# KiCad board [DFR1142]Lite Carrier for LattePanda Mu(V2).kicad_pcb
title: Lite Carrier for LattePanda Mu; date: 2025-07-25; rev: V2.0.0; company: DFRobot; note: HDJ; note: DFR1142; note: 1.6; note: 4; note: 146x102; note: Top_Layer
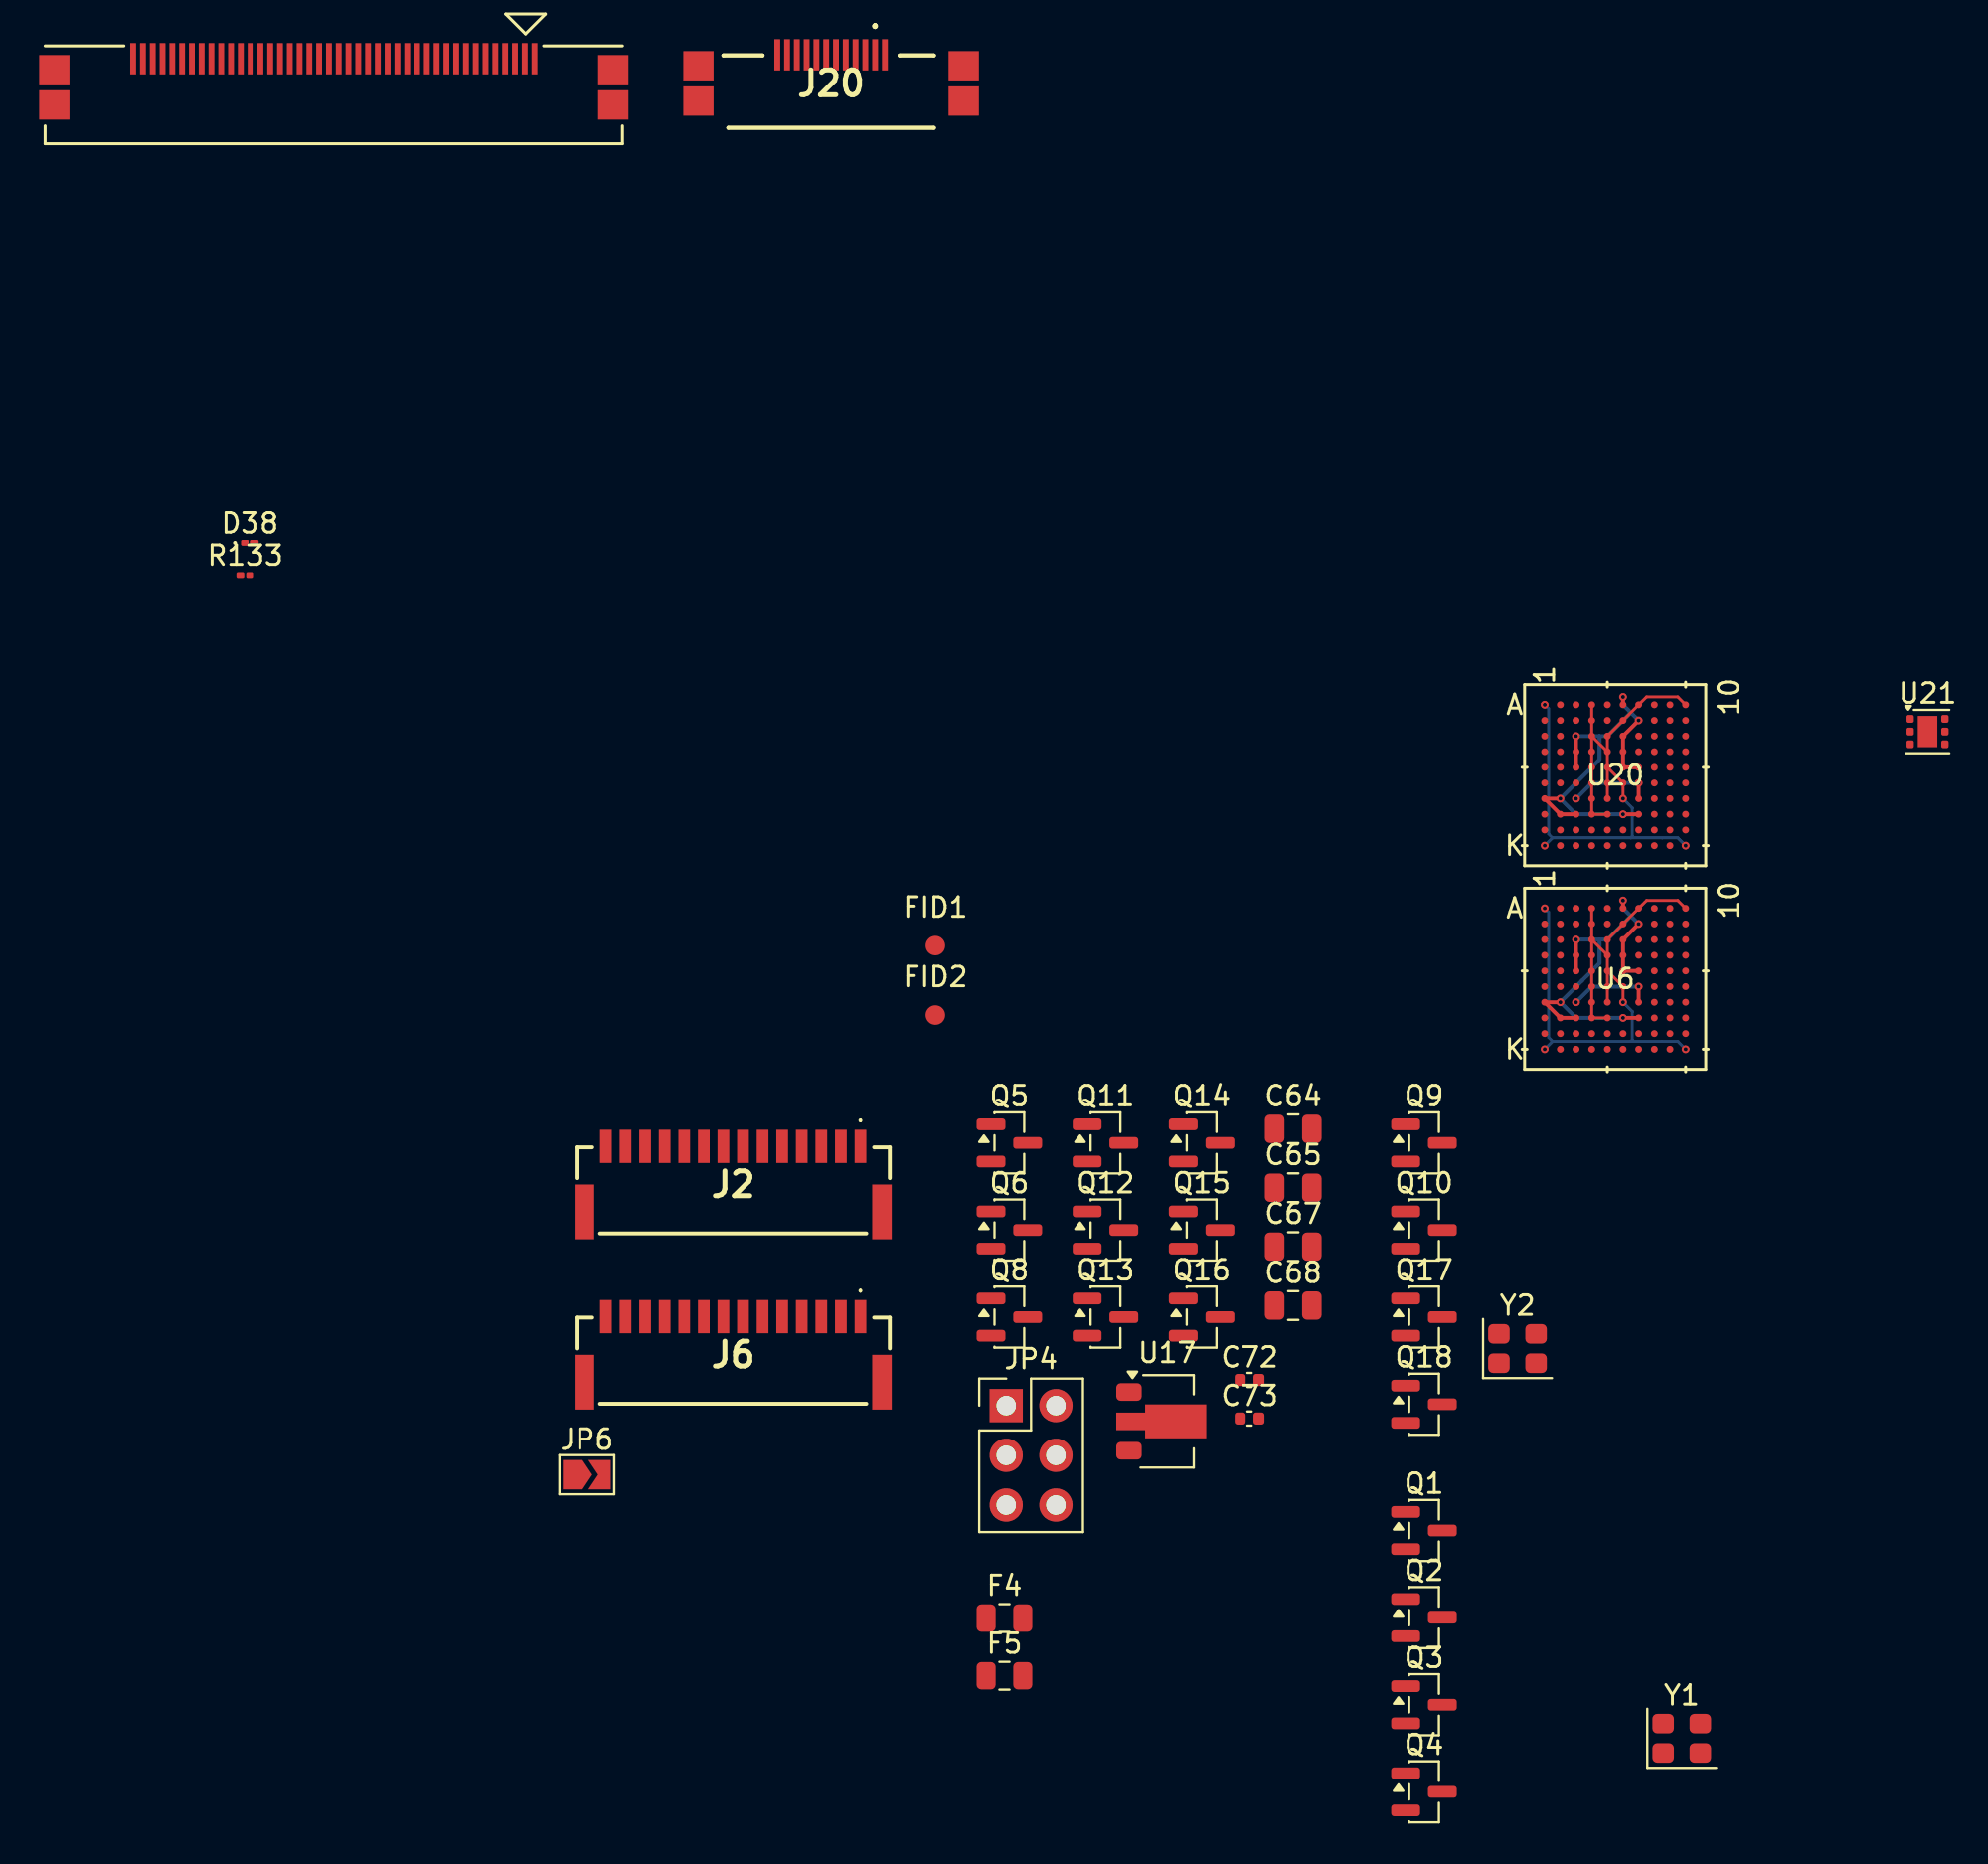
[diagram p0: board, top side]
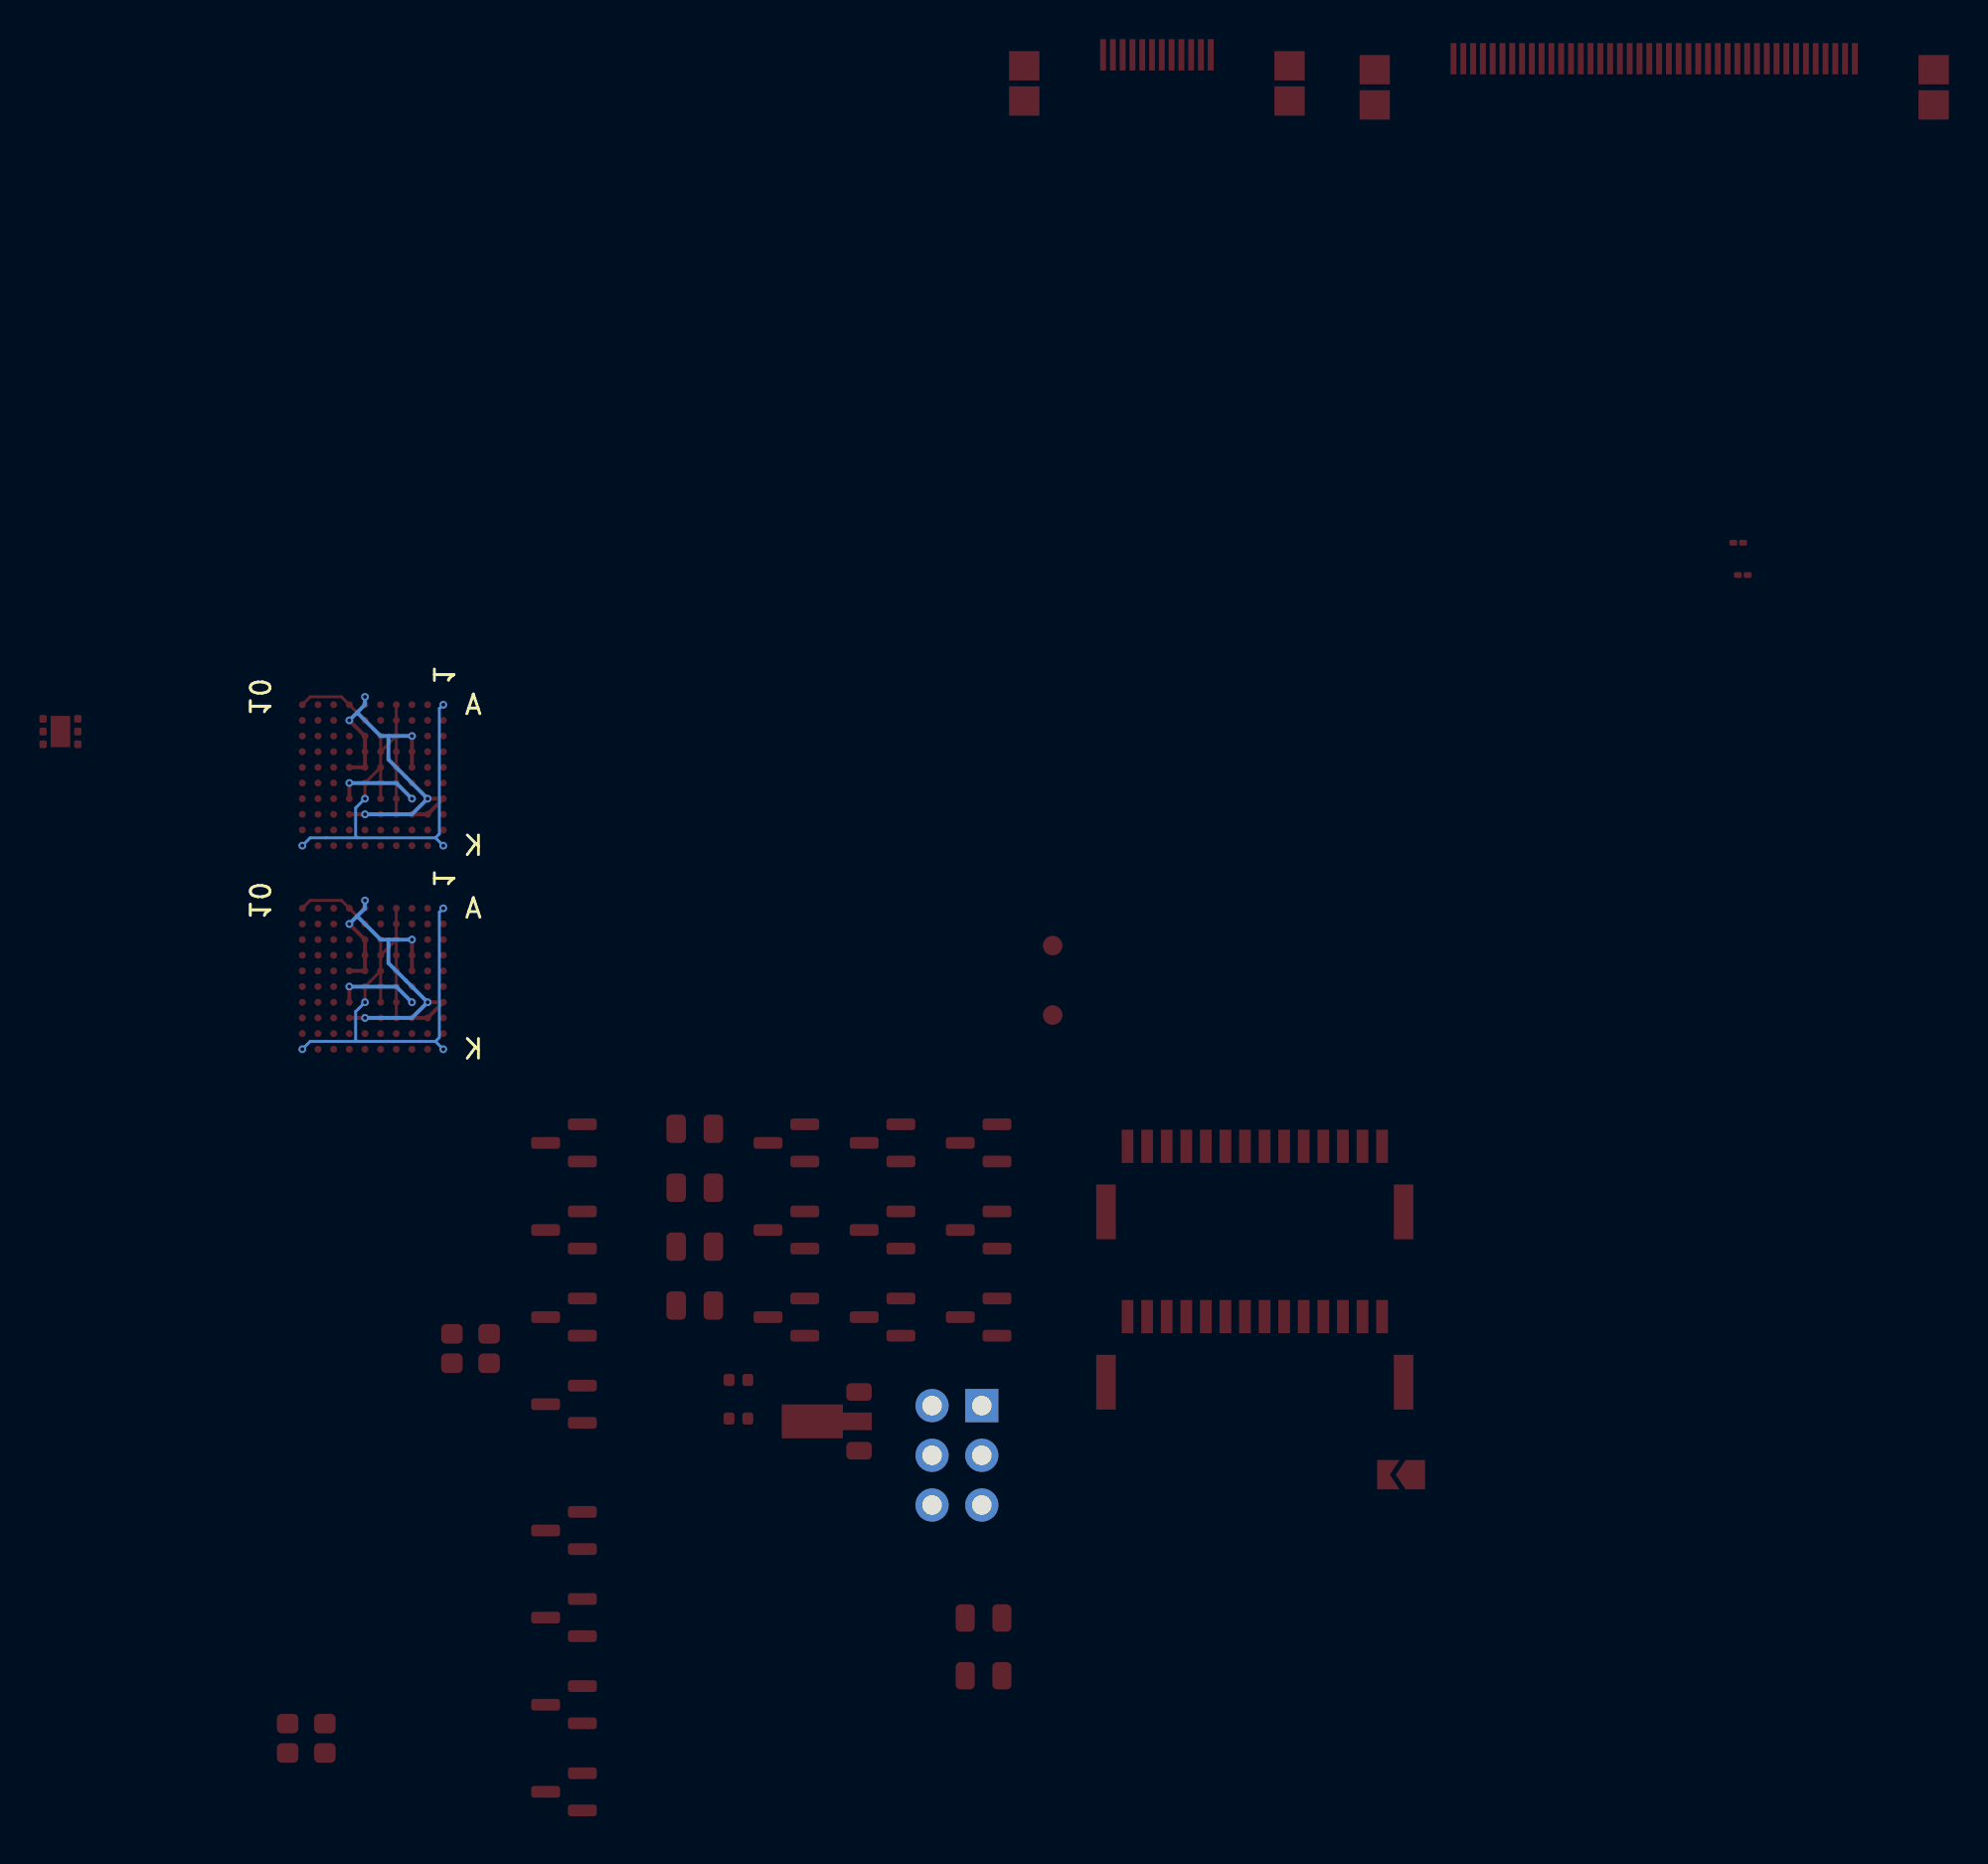
[diagram p1: board, bottom side, seen from below]

No outline. copper layers: Top, In1.GND (plane), In2.PWR (plane), Bottom. Coordinates in mm from the lowest, leftmost part position.
Stack: Top 0.035mm / dielectric 0.2104mm FR4 er 4.5 / In1.GND 0.0152mm / dielectric 1.065mm FR4 er 4.5 / In2.PWR 0.0152mm / dielectric 0.2104mm FR4 er 4.5 / Bottom 0.035mm

## Placement (name value [footprint] x y rotation side)
C64  22uF/25V  [C_0805_2012Metric]  53.53 33.87 0 top
C65  22uF/25V  [C_0805_2012Metric]  53.53 30.86 0 top
C67  22uF/25V  [C_0805_2012Metric]  53.53 27.85 0 top
C68  22uF/25V  [C_0805_2012Metric]  53.53 24.84 0 top
C72  12pF/50V  [C_0402_1005Metric]  51.3 21.04 0 top
C73  12pF/50V  [C_0402_1005Metric]  51.3 19.07 0 top
D38  D  [D_01005_0402Metric]  0.23 63.81 0 top
F4  6V/2A  [Fuse_0805_2012Metric]  38.78 8.88 0 top
F5  6V/2A  [Fuse_0805_2012Metric]  38.78 5.93 0 top
FID1  Fiducial  [Fiducial_1mm_Mask2mm]  35.25 43.23 0 top
FID2  Fiducial  [Fiducial_1mm_Mask2mm]  35.25 39.68 0 top
J2  BM14B-NSHSS-TBT_LF__SN_  [BM14BNSHSSTBTLFSN]  24.92 30.75 0 top
J3  2004850740  [CON_2004850740]  4.52 86.69 0 top
J6  BM14B-NSHSS-TBT_LF__SN_  [BM14BNSHSSTBTLFSN]  24.92 22.05 0 top
J20  200485-0710  [2004850710]  29.92 86.85 0 top
JP4  ~  [PinHeader_2x03_P2.54mm_Vertical]  38.87 19.73 0 top
JP6  SolderJumper_2_Open  [SolderJumper-2_P1.3mm_Open_TrianglePad1.0x1.5mm]  17.45 16.2 0 top
Q1  2N7002  [SOT-23]  60.21 13.35 0 top
Q2  2SK3018  [SOT-23]  60.21 8.9 0 top
Q3  2SK3018  [SOT-23]  60.21 4.45 0 top
Q4  2SK3018  [SOT-23]  60.21 0 0 top
Q5  2N7002  [SOT-23]  39.03 33.15 0 top
Q6  2N7002  [SOT-23]  39.03 28.7 0 top
Q8  2N7002  [SOT-23]  39.03 24.25 0 top
Q9  2N7002  [SOT-23]  60.21 33.15 0 top
Q10  2SK3018  [SOT-23]  60.21 28.7 0 top
Q11  2N7002  [SOT-23]  43.94 33.15 0 top
Q12  2N7002  [SOT-23]  43.94 28.7 0 top
Q13  2N7002  [SOT-23]  43.94 24.25 0 top
Q14  2N7002  [SOT-23]  48.85 33.15 0 top
Q15  2N7002  [SOT-23]  48.85 28.7 0 top
Q16  AO3407  [SOT-23]  48.85 24.25 0 top
Q17  2SK3018  [SOT-23]  60.21 24.25 0 top
Q18  2SK3018  [SOT-23]  60.21 19.8 0 top
R133  0.57Ohm  [L_01005_0402Metric]  0 62.16 0 top
U6  ADV7613WBBCZ  [BC_100_4_ADI]  69.98 41.53 0 top
U17  HM7533HBPR  [SOT-89-3]  47.09 18.92 0 top
U20  ADV7613WBBCZ  [BC_100_4_ADI]  69.98 51.94 0 top
U21  TPS61165DBV  [WSON-6-1EP_2x2mm_P0.65mm_EP1x1.6mm]  85.93 54.16 0 top
Y1  SiT8008xx-1x-xxE  [Oscillator_SMD_SiT_PQFN-4Pin_2.5x2.0mm]  73.37 2.73 0 top
Y2  SiT8008xx-1x-xxE  [Oscillator_SMD_SiT_PQFN-4Pin_2.5x2.0mm]  64.98 22.64 0 top

## Library data of the parts
C64 C65 C67 C68 = -: KiLib_Generator: SMD_2terminal_chip_molded; DF_Comment: 贴片电容0805-22uF-25V-X5R; SCH_Show_Footprint: C603; ki_fp_filters: C_*
C72 C73 = -: KiLib_Generator: SMD_2terminal_chip_molded; DF_Comment: 贴片电容0402-12pF-50V-NPO(0402); SCH_Show_Footprint: C0402; ki_fp_filters: C_*
D38 = -: Description: Diode; KiLib_Generator: SMD_2terminal_chip_molded; Sim.Pins: 1=K 2=A; ki_fp_filters: TO-???* *_Diode_* *SingleDiode* D_*
F4 F5 = -: KiLib_Generator: SMD_2terminal_chip_molded; Buy_Link: https://item.szlcsc.com/947787.html; DF_Comment: 0805贴片自恢复保险丝2A-6V_BSMD0805L-200; SCH_Show_Footprint: R0805; ki_fp_filters: *Fuse*
FID1 FID2 = -: KiLib_Generator: fiducial; ki_fp_filters: Fiducial*
J2 J6 = -: Datasheet: https://www.jst-mfg.com/product/pdf/eng/eNSH.pdf; Description: Connector Header Surface Mount 14 position 0.039" (1.00mm), 1A, 50V, -25C ~ 85C; Height: 6; Manufacturer_Name: JST (JAPAN SOLDERLESS TERMINALS); Manufacturer_Part_Number: BM14B-NSHSS-TBT(LF)(SN)
J3 = -: Datasheet: https://www.molex.com/en-us/products/part-detail-pdf/2004850740?display=pdf; ki_fp_filters: CON_2004850740
J20 = -: Datasheet: https://www.molex.com/pdm_docs/sd/2004850710_sd.pdf; Description: FFC & FPC Connectors .50mm Easy-On One TouchST 10Ckt GND; Height: 5.7; Mouser Part Number: 538-200485-0710; Mouser Price/Stock: https://www.mouser.co.uk/ProductDetail/Molex/200485-0710?qs=81r%252BiQLm7BTVhoZMpMfD8A%3D%3D; Manufacturer_Name: Molex
JP4 = -: KiLib_Generator: connector/pin_header_socket; DF_Comment: 2.54黑色3x2P排针
JP6 = -: Description: Solder Jumper, 2-pole, open; ki_fp_filters: SolderJumper*Open*
Q1 Q5 Q6 Q8 Q9 Q11-Q15 = -: Datasheet: https://www.onsemi.com/pub/Collateral/NDS7002A-D.PDF; KiLib_Generator: package/gullwing; DF_Comment: 2N7002-N沟道MOS管-SOT-23[备选型号:JMTL2N7002K]; ki_fp_filters: SOT?23*
Q2-Q4 Q10 Q17 Q18 = -: Datasheet: https://www.onsemi.com/pub/Collateral/NDS7002A-D.PDF; KiLib_Generator: package/gullwing; Buy_Link: https://item.szlcsc.com/774253.html; DF_Comment: NMOS_2SK3018_SOT-23; ki_fp_filters: SOT?23*
Q16 = -: Description: P-MOSFET transistor, gate/source/drain; KiLib_Generator: package/gullwing; DF_Comment: PMOS管AO3407-SOT23-3
R133 = -: Description: Resistor; KiLib_Generator: SMD_2terminal_chip_molded; ki_fp_filters: R_*
U6 U20 = -: Datasheet: https://www.analog.com/media/en/technical-documentation/data-sheets/ADV7613.pdf; ki_fp_filters: BC_100_4_ADI
U17 = -: Description: 高压LDO_HM7533HBPR_SOT89; DF_Comment: 高压LDO_HM7533HBPR_SOT89
U21 = -: Datasheet: https://www.ti.com/lit/ds/symlink/tps61165.pdf; Description: High-Brightness, White LED Driver, 3V to 18V input voltage range, internal switch, constant current, up to 38V/1.2A output, SOT-23-6; KiLib_Generator: package/no_lead; ki_fp_filters: SOT?23*
Y1 Y2 = -: Datasheet: https://www.sitime.com/support/resource-library/datasheets/sit8008-datasheet; Description: SiTime Low Power Mems programmable oscillator, 1MHz to 110MHz, PQFN-4, 2.5x2.0mm (with output enable pin); KiLib_Generator: crystal_resonator_oscillator; ki_fp_filters: *PQFN*2.5x2.0mm*

## Footprints (pads in the part's own frame, mm; a bottom-side part is the same pattern mirrored in y, then rotated)
2004850710
  rect 0.3x1.6 smd: 1(2.25,1.88) 2(1.75,1.88) 3(1.25,1.88) 4(0.75,1.88) 5(0.25,1.88) 6(-0.25,1.88) 7(-0.75,1.88) 8(-1.25,1.88) 9(-1.75,1.88) 10(-2.25,1.88) G1(2.75,1.88) G2(-2.75,1.88)
  rect 1.55x1.5 smd: MP1(6.775,-0.48) MP2(6.775,1.32) MP3(-6.775,-0.48) MP4(-6.775,1.32)
BC_100_4_ADI
  round 0.356 smd: A1(-3.6,3.6) A2(-2.8,3.6) A3(-2,3.6) A4(-1.2,3.6) A5(-0.4,3.6) A6(0.4,3.6) A7(1.2,3.6) A8(2,3.6) A9(2.8,3.6) A10(3.6,3.6) B1(-3.6,2.8) B2(-2.8,2.8) B3(-2,2.8) B4(-1.2,2.8) B5(-0.4,2.8) B6(0.4,2.8) B7(1.2,2.8) B8(2,2.8) B9(2.8,2.8) B10(3.6,2.8) C1(-3.6,2) C2(-2.8,2) C3(-2,2) C4(-1.2,2) C5(-0.4,2) C6(0.4,2) C7(1.2,2) C8(2,2) C9(2.8,2) C10(3.6,2) D1(-3.6,1.2) D2(-2.8,1.2) D3(-2,1.2) D4(-1.2,1.2) D5(-0.4,1.2) D6(0.4,1.2) D7(1.2,1.2) D8(2,1.2) D9(2.8,1.2) D10(3.6,1.2) E1(-3.6,0.4) E2(-2.8,0.4) E3(-2,0.4) E4(-1.2,0.4) E5(-0.4,0.4) E6(0.4,0.4) E7(1.2,0.4) E8(2,0.4) E9(2.8,0.4) E10(3.6,0.4) F1(-3.6,-0.4) F2(-2.8,-0.4) F3(-2,-0.4) F4(-1.2,-0.4) F5(-0.4,-0.4) F6(0.4,-0.4) F7(1.2,-0.4) F8(2,-0.4) F9(2.8,-0.4) F10(3.6,-0.4) G1(-3.6,-1.2) G2(-2.8,-1.2) G3(-2,-1.2) G4(-1.2,-1.2) G5(-0.4,-1.2) G6(0.4,-1.2) G7(1.2,-1.2) G8(2,-1.2) G9(2.8,-1.2) G10(3.6,-1.2) H1(-3.6,-2) H2(-2.8,-2) H3(-2,-2) H4(-1.2,-2) H5(-0.4,-2) H6(0.4,-2) H7(1.2,-2) H8(2,-2) H9(2.8,-2) H10(3.6,-2) J1(-3.6,-2.8) J2(-2.8,-2.8) J3(-2,-2.8) J4(-1.2,-2.8) J5(-0.4,-2.8) J6(0.4,-2.8) J7(1.2,-2.8) J8(2,-2.8) J9(2.8,-2.8) J10(3.6,-2.8) K1(-3.6,-3.6) K2(-2.8,-3.6) K3(-2,-3.6) K4(-1.2,-3.6) K5(-0.4,-3.6) K6(0.4,-3.6) K7(1.2,-3.6) K8(2,-3.6) K9(2.8,-3.6) K10(3.6,-3.6)
BM14BNSHSSTBTLFSN
  rect 0.6x1.7 smd: 1(6.5,2.225) 2(5.5,2.225) 3(4.5,2.225) 4(3.5,2.225) 5(2.5,2.225) 6(1.5,2.225) 7(0.5,2.225) 8(-0.5,2.225) 9(-1.5,2.225) 10(-2.5,2.225) 11(-3.5,2.225) 12(-4.5,2.225) 13(-5.5,2.225) 14(-6.5,2.225)
  rect 1x2.8 smd: 15(7.6,-1.125) 16(-7.6,-1.125)
C_0402_1005Metric
  rrect 0.56x0.62 smd: 1(-0.48,0) 2(0.48,0)
C_0805_2012Metric
  rrect 1x1.45 smd: 1(-0.95,0) 2(0.95,0)
CON_2004850740
  rect 0.3x1.6 smd: 1(9.75,1.843) 2(9.25,1.843) 3(8.75,1.843) 4(8.25,1.843) 5(7.75,1.843) 6(7.25,1.843) 7(6.75,1.843) 8(6.25,1.843) 9(5.75,1.843) 10(5.25,1.843) 11(4.75,1.843) 12(4.25,1.843) 13(3.75,1.843) 14(3.25,1.843) 15(2.75,1.843) 16(2.25,1.843) 17(1.75,1.843) 18(1.25,1.843) 19(0.75,1.843) 20(0.25,1.843) 21(-0.25,1.843) 22(-0.75,1.843) 23(-1.25,1.843) 24(-1.75,1.843) 25(-2.25,1.843) 26(-2.75,1.843) 27(-3.25,1.843) 28(-3.75,1.843) 29(-4.25,1.843) 30(-4.75,1.843) 31(-5.25,1.843) 32(-5.75,1.843) 33(-6.25,1.843) 34(-6.75,1.843) 35(-7.25,1.843) 36(-7.75,1.843) 37(-8.25,1.843) 38(-8.75,1.843) 39(-9.25,1.843) 40(-9.75,1.843) G1(10.25,1.843) G2(-10.25,1.843)
  rect 1.55x1.5 smd: P1(14.275,1.283) P2(-14.275,1.283) P3(14.275,-0.517) P4(-14.275,-0.517)
D_01005_0402Metric
  rrect 0.27x0.27 smd: (-0.275,0) (0.275,0)
  rrect 0.4x0.3 smd: 1(-0.25,0) 2(0.25,0)
Fiducial_1mm_Mask2mm
  round 1 smd: (0,0)
Fuse_0805_2012Metric
  rrect 0.975x1.4 smd: 1(-0.938,0) 2(0.938,0)
L_01005_0402Metric
  rrect 0.27x0.27 smd: (-0.275,0) (0.275,0)
  rrect 0.4x0.3 smd: 1(-0.25,0) 2(0.25,0)
Oscillator_SMD_SiT_PQFN-4Pin_2.5x2.0mm
  rrect 1.1x1 smd: 1(-0.95,-0.75) 2(0.95,-0.75) 3(0.95,0.75) 4(-0.95,0.75)
PinHeader_2x03_P2.54mm_Vertical
  rect 1.7x1.7 hole 1: 1(0,0)
  round 1.7 hole 1: 2(2.54,0) 3(0,-2.54) 4(2.54,-2.54) 5(0,-5.08) 6(2.54,-5.08)
SolderJumper-2_P1.3mm_Open_TrianglePad1.0x1.5mm
  custom 0.3x0.3 smd: 1(-0.725,0) 2(0.725,0)
SOT-23
  rrect 1.475x0.6 smd: 1(-0.938,0.95) 2(-0.938,-0.95) 3(0.938,0)
SOT-89-3
  rrect 1.3x0.9 smd: 1(-1.95,1.5) 3(-1.95,-1.5)
  custom 1.475x0.9 smd: 2(-1.863,0)
WSON-6-1EP_2x2mm_P0.65mm_EP1x1.6mm
  rrect 0.81x0.64 smd: (0,0.4) (0,-0.4)
  rrect 0.375x0.4 smd: 1(-0.887,0.65) 2(-0.887,0) 3(-0.887,-0.65) 4(0.887,-0.65) 5(0.887,0) 6(0.887,0.65)
  rect 1x1.6 smd: 7(0,0)

## Nets
+1V8: U6.A6 U6.B7 U6.C3 U6.C6 U6.D3 U6.D6 U6.E3 U6.E6 U6.E7 U6.G1 U6.G2 U6.H2 U6.H3 U6.H6 U6.H7 U20.A6 U20.B7 U20.C3 U20.C6 U20.D3 U20.D6 U20.E3 U20.E6 U20.E7 U20.G1 U20.G2 U20.H2 U20.H3 U20.H6 U20.H7 Y1.1 Y1.4 Y2.1 Y2.4
+3V3: C73.1 J3.2 J3.3 J3.5 J3.6 J3.33 J3.34 J20.2 Q1.1 Q2.1 Q3.1 Q9.1 Q10.1 Q17.1 U6.F7 U6.G3 U6.G7 U20.F7 U20.G3 U20.G7
+3V3_ROM: U17.3
+5V: C72.1 F4.1 F5.1 Q16.2 U6.B1 U20.B1 U21.1
+5V_FAN: Q16.3
GND: C64.1 C65.1 C67.1 C68.1 J3.7 J3.10 J3.13 J3.16 J3.19 J3.22 J3.25 J3.30 J3.G1 J3.G2 J3.P1 J3.P2 J3.P3 J3.P4 J20.1 J20.10 J20.G1 J20.G2 J20.MP1 J20.MP2 J20.MP3 J20.MP4 JP4.1 JP4.2 JP4.3 JP6.1 Q4.2 Q6.2 Q8.2 Q12.2 Q13.2 Q14.2 Q15.2 Q18.2 U6.A1 U6.A4 U6.A7 U6.A10 U6.B4 U6.B6 U6.C4 U6.C5 U6.D4 U6.D5 U6.E4 U6.E5 U6.F4 U6.F5 U6.F6 U6.G4 U6.G5 U6.G6 U6.H4 U6.H5 U6.K1 U6.K10 U17.1 U20.A1 U20.A4 U20.A7 U20.A10 U20.B4 U20.B6 U20.C4 U20.C5 U20.D4 U20.D5 U20.E4 U20.E5 U20.F4 U20.F5 U20.F6 U20.G4 U20.G5 U20.G6 U20.H4 U20.H5 U20.K1 U20.K10 U21.4 Y1.2 Y2.2
/HDMI-LVDS1/DDC_SCL: Q10.3 U20.A3
/HDMI-LVDS1/DDC_SDA: Q17.3 U20.A2
/HDMI-LVDS1/HPD: U20.B2
/HDMI-LVDS1/I2C2_SCL: U20.A8
/HDMI-LVDS1/I2C2_SDA: U20.B8
/HDMI-LVDS1/LTX1_0+: U20.J10
/HDMI-LVDS1/LTX1_0-: U20.H10
/HDMI-LVDS1/LTX1_1+: U20.K9
/HDMI-LVDS1/LTX1_1-: U20.J9
/HDMI-LVDS1/LTX1_2+: U20.K8
/HDMI-LVDS1/LTX1_2-: U20.J8
/HDMI-LVDS1/LTX1_3+: U20.K6
/HDMI-LVDS1/LTX1_3-: U20.J6
/HDMI-LVDS1/LTX1_C+: U20.K7
/HDMI-LVDS1/LTX1_C-: U20.J7
/HDMI-LVDS1/LTX2_0+: U20.K5
/HDMI-LVDS1/LTX2_0-: U20.J5
/HDMI-LVDS1/LTX2_1+: U20.K4
/HDMI-LVDS1/LTX2_1-: U20.J4
/HDMI-LVDS1/LTX2_2+: U20.K3
/HDMI-LVDS1/LTX2_2-: U20.J3
/HDMI-LVDS1/LTX2_3+: U20.J1
/HDMI-LVDS1/LTX2_3-: U20.H1
/HDMI-LVDS1/LTX2_C+: U20.K2
/HDMI-LVDS1/LTX2_C-: U20.J2
/HDMI-LVDS1/TCP_0_DDC_SCL: Q10.2
/HDMI-LVDS1/TCP_0_DDC_SDA: Q17.2
/HDMI-LVDS1/TCP_0_HPD: Q9.2
/HDMI-LVDS1/TMDS_CK+: U20.C1
/HDMI-LVDS1/TMDS_CK-: U20.C2
/HDMI-LVDS1/TMDS_D0+: U20.D1
/HDMI-LVDS1/TMDS_D0-: U20.D2
/HDMI-LVDS1/TMDS_D1+: U20.E1
/HDMI-LVDS1/TMDS_D1-: U20.E2
/HDMI-LVDS1/TMDS_D2+: U20.F1
/HDMI-LVDS1/TMDS_D2-: U20.F2
/HDMI-LVDS/DDC_SCL: Q2.3 U6.A3
/HDMI-LVDS/DDC_SDA: Q3.3 U6.A2
/HDMI-LVDS/HPD: U6.B2
/HDMI-LVDS/I2C2_SCL: J20.3 U6.A8
/HDMI-LVDS/I2C2_SDA: J20.5 U6.B8
/HDMI-LVDS/LTX1_0+: J3.9 U6.J10
/HDMI-LVDS/LTX1_0-: J3.8 U6.H10
/HDMI-LVDS/LTX1_1+: J3.12 U6.K9
/HDMI-LVDS/LTX1_1-: J3.11 U6.J9
/HDMI-LVDS/LTX1_2+: J3.15 U6.K8
/HDMI-LVDS/LTX1_2-: J3.14 U6.J8
/HDMI-LVDS/LTX1_3+: J3.21 U6.K6
/HDMI-LVDS/LTX1_3-: J3.20 U6.J6
/HDMI-LVDS/LTX1_C+: J3.18 U6.K7
/HDMI-LVDS/LTX1_C-: J3.17 U6.J7
/HDMI-LVDS/LTX2_0+: U6.K5
/HDMI-LVDS/LTX2_0-: U6.J5
/HDMI-LVDS/LTX2_1+: U6.K4
/HDMI-LVDS/LTX2_1-: U6.J4
/HDMI-LVDS/LTX2_2+: U6.K3
/HDMI-LVDS/LTX2_2-: U6.J3
/HDMI-LVDS/LTX2_3+: U6.J1
/HDMI-LVDS/LTX2_3-: U6.H1
/HDMI-LVDS/LTX2_C+: U6.K2
/HDMI-LVDS/LTX2_C-: U6.J2
/HDMI-LVDS/TCP_0_DDC_SCL: Q2.2
/HDMI-LVDS/TCP_0_DDC_SDA: Q3.2
/HDMI-LVDS/TCP_0_HPD: Q1.2
/HDMI-LVDS/TMDS_CK+: U6.C1
/HDMI-LVDS/TMDS_CK-: U6.C2
/HDMI-LVDS/TMDS_D0+: U6.D1
/HDMI-LVDS/TMDS_D0-: U6.D2
/HDMI-LVDS/TMDS_D1+: U6.E1
/HDMI-LVDS/TMDS_D1-: U6.E2
/HDMI-LVDS/TMDS_D2+: U6.F1
/HDMI-LVDS/TMDS_D2-: U6.F2
/PSU/POWER_SW: JP4.4
/PSU/PWR_EN: Q15.1
/PSU/PWR_LED: JP4.6
/PSU/RESET_SW: JP4.5
/~{PWR_LED}/~{PSON}: Q6.1
LED+: D38.1 J3.39 J3.40
LED-: J3.31 J3.32 R133.2
SL_BRI: U21.2
VDC: C64.2 C65.2 C67.2 C68.2 U17.2
Net-(A1-~{BIOS_SEL}): JP6.2
Net-(D22-K): Q8.3
Net-(D24-K): Q11.3
Net-(D28-A): Q13.1
Net-(D38-A): D38.2 U21.3
Net-(J4A-VBUS1): F4.2
Net-(J4B-VBUS2): F5.2
Net-(J20-Pad7): J20.7
Net-(JP5-C): Q12.3
Net-(Q1-D): Q1.3
Net-(Q4-D): Q4.3
Net-(Q4-G): Q4.1
Net-(Q5-D): Q5.3
Net-(Q5-G): Q5.1
Net-(Q5-S): Q5.2 Q6.3
Net-(Q8-G): Q8.1
Net-(Q9-D): Q9.3
Net-(Q11-G): Q11.1
Net-(Q11-S): Q11.2 Q14.3
Net-(Q12-G): Q12.1 Q13.3
Net-(Q14-G): Q14.1
Net-(Q15-D): Q15.3 Q16.1
Net-(Q18-D): Q18.3
Net-(Q18-G): Q18.1
Net-(U6-TEST0): U6.C7
Net-(U6-TEST1): U6.C8
Net-(U6-TEST2): U6.D7
Net-(U6-TEST3): U6.D8
Net-(U6-TEST4): U6.E8
Net-(U6-TEST5): U6.E9
Net-(U6-TEST6): U6.F8
Net-(U6-TEST7): U6.F9
Net-(U6-TEST8): U6.F10
Net-(U6-TEST9): U6.G8
Net-(U6-TEST10): U6.G9
Net-(U6-TEST11): U6.G10
Net-(U6-TEST12): U6.H8
Net-(U6-TEST13): U6.H9
Net-(U6-XTALP): U6.A5 Y1.3
Net-(U15-FB): C72.2
Net-(U16-FB): C73.2
Net-(U20-TEST0): U20.C7
Net-(U20-TEST1): U20.C8
Net-(U20-TEST2): U20.D7
Net-(U20-TEST3): U20.D8
Net-(U20-TEST4): U20.E8
Net-(U20-TEST5): U20.E9
Net-(U20-TEST6): U20.F8
Net-(U20-TEST7): U20.F9
Net-(U20-TEST8): U20.F10
Net-(U20-TEST9): U20.G8
Net-(U20-TEST10): U20.G9
Net-(U20-TEST11): U20.G10
Net-(U20-TEST12): U20.H8
Net-(U20-TEST13): U20.H9
Net-(U20-XTALP): U20.A5 Y2.3
Net-(U21-COMP): U21.5
Net-(U21-FB): R133.1 U21.6

Pads without a net: J2 1 2 3 4 5 6 7 8 9 10 11 12 13 14 15 16; J3 1 4 23 24 26 27 28 29 35 36 37 38; J6 1 2 3 4 5 6 7 8 9 10 11 12 13 14 15 16; J20 4 6 8 9; U6 A9 B3 B5 B9 B10 C9 C10 D9 D10 E10 F3; U20 A9 B3 B5 B9 B10 C9 C10 D9 D10 E10 F3; U21 7

## Via types
v1: diameter 0.4, hole 0.2, Top to Bottom, 22 vias

## Routing (per net, layer and track width the routed paths; a pad name or vN(x,y) marks a point on that pad's centre or on a via; arc(x,y) is an arc through that point)
+1V8: length 42.9
  Top w0.2: U6.E7 U6.E6 U6.C6 v1(71.17,44.33) ; U6.H7 v1(70.37,39.53) ; U20.H7 v1(70.37,49.94) ; v1(67.17,40.33) U6.G1 U6.H2 U6.H3 ; U20.E7 U20.E6 U20.C6 v1(71.17,54.73) ; v1(67.98,53.94) U20.E3 ; U20.H3 U20.H2 U20.G1 v1(67.17,50.73) ; U6.A6 v1(70.37,45.53) ; U20.A6 v1(70.37,55.94) ; v1(67.98,43.53) U6.E3
  Bottom w0.2: 70.77,44.73 69.58,43.53 69.17,43.53 ; 70.77,44.73 U6.A6 v1(70.37,45.53) ; 70.77,44.73 v1(71.17,44.33) ; 70.77,55.13 69.58,53.94 69.17,53.94 ; 70.77,55.13 v1(71.17,54.73) ; 70.77,55.13 U20.A6 v1(70.37,55.94) ; 69.17,53.94 69.17,52.73 v1(67.17,50.73) U20.H3 v1(70.37,49.94) ; 69.17,53.94 v1(67.98,53.94) ; 69.17,43.53 69.17,42.33 v1(67.17,40.33) U6.H3 v1(70.37,39.53) ; 69.17,43.53 v1(67.98,43.53)
+3V3: length 8.7
  Top w0.2: v1(71.17,41.13) U6.G7 ; v1(71.17,51.53) U20.G7
  Bottom w0.2: v1(67.98,50.73) 68.77,51.53 v1(71.17,51.53) ; v1(71.17,41.13) 68.77,41.13 v1(67.98,40.33)
GND: length 68.8
  Top w0.15: v1(70.37,40.33) U6.F6 U6.E5 ; U20.A10 73.17,55.94 71.58,55.94 U20.A7 U20.C5 U20.D5 ; U20.D5 U20.G5 ; U20.D5 U20.C4 ; U6.D5 U6.G5 ; U6.D5 U6.C5 U6.A7 71.58,45.54 73.17,45.54 U6.A10 ; U6.D5 U6.C4 ; U6.A4 U6.H4 U6.H5 ; U20.E5 U20.F6 v1(70.37,50.73) ; U20.H5 U20.H4 U20.A4
  Bottom w0.15: 66.77,48.73 v1(66.37,48.34) ; 66.77,48.73 70.77,48.73 ; 66.77,48.73 66.58,48.94 66.58,55.33 v1(66.37,55.53) ; v1(73.57,37.94) 73.17,38.33 70.77,38.33 ; 66.77,38.33 v1(66.37,37.94) ; 66.77,38.33 70.77,38.33 ; 66.77,38.33 66.58,38.53 66.58,44.93 v1(66.37,45.13) ; 70.77,48.73 73.17,48.73 v1(73.57,48.34) ; 70.77,48.73 70.85,48.81 70.85,50.26 v1(70.37,50.73) ; 70.77,38.33 70.85,38.41 70.85,39.86 v1(70.37,40.33)
